# Altium PCB PCB1.PcbDoc
Units mm, origin at the board's own origin, x right, y up, seen from the top; angles counter-clockwise.
Board outline 100.26 x 100.3 mm, 4 copper layers (Top Layer, GND, PWR, Bottom Layer), stack 0.603 mm thick; 65 components, 145 nets, 321 pads, 82 vias.
Unrouted connection lines stored in the file: 64.
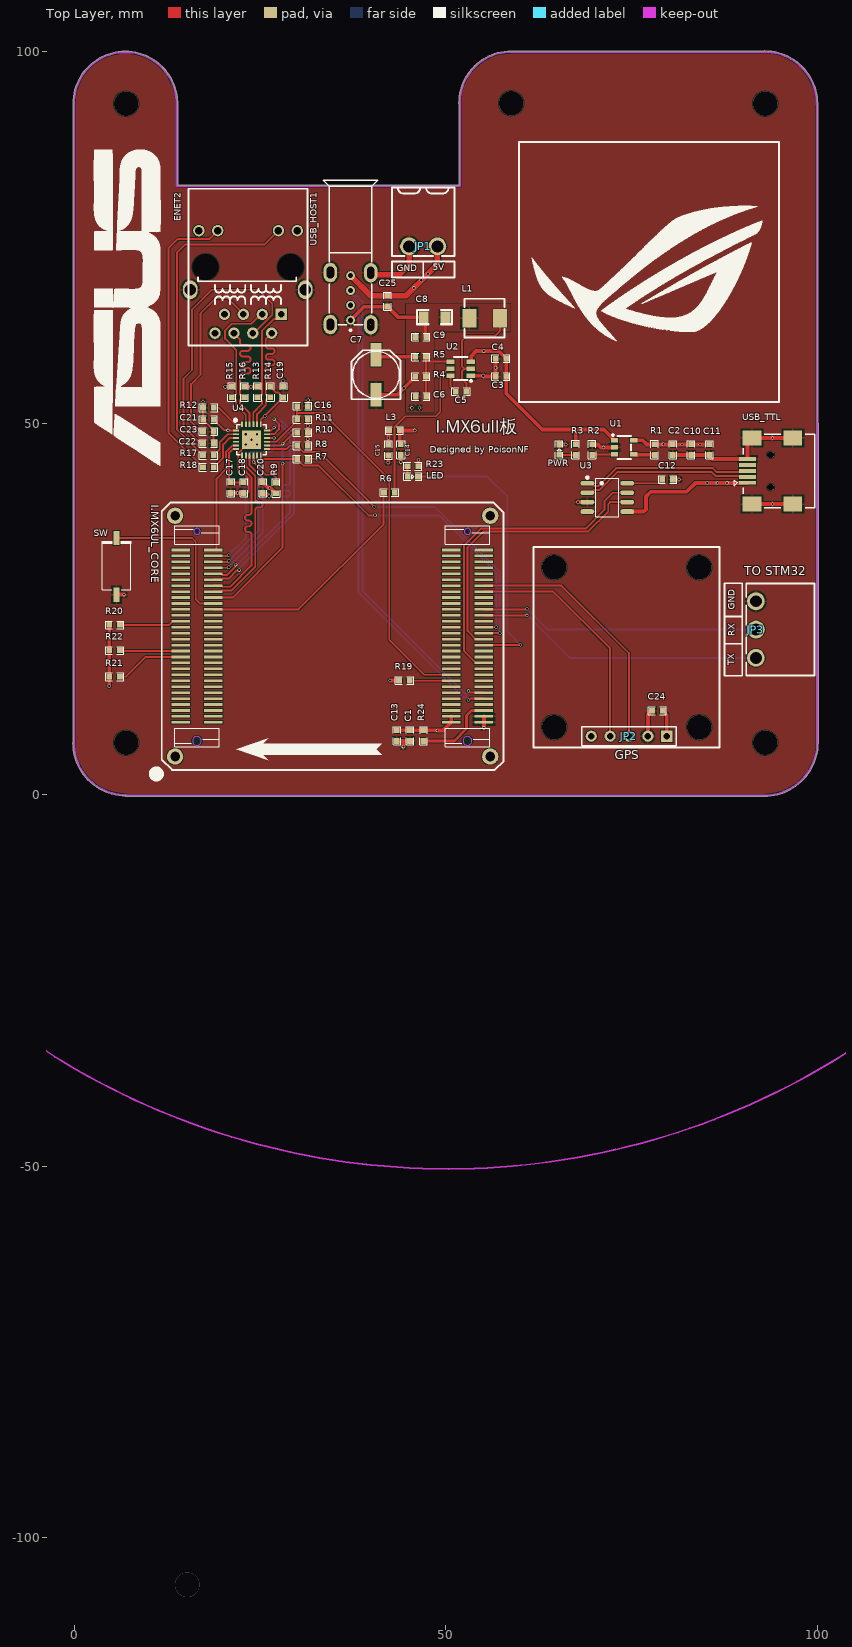
[diagram p0: Top Layer view]
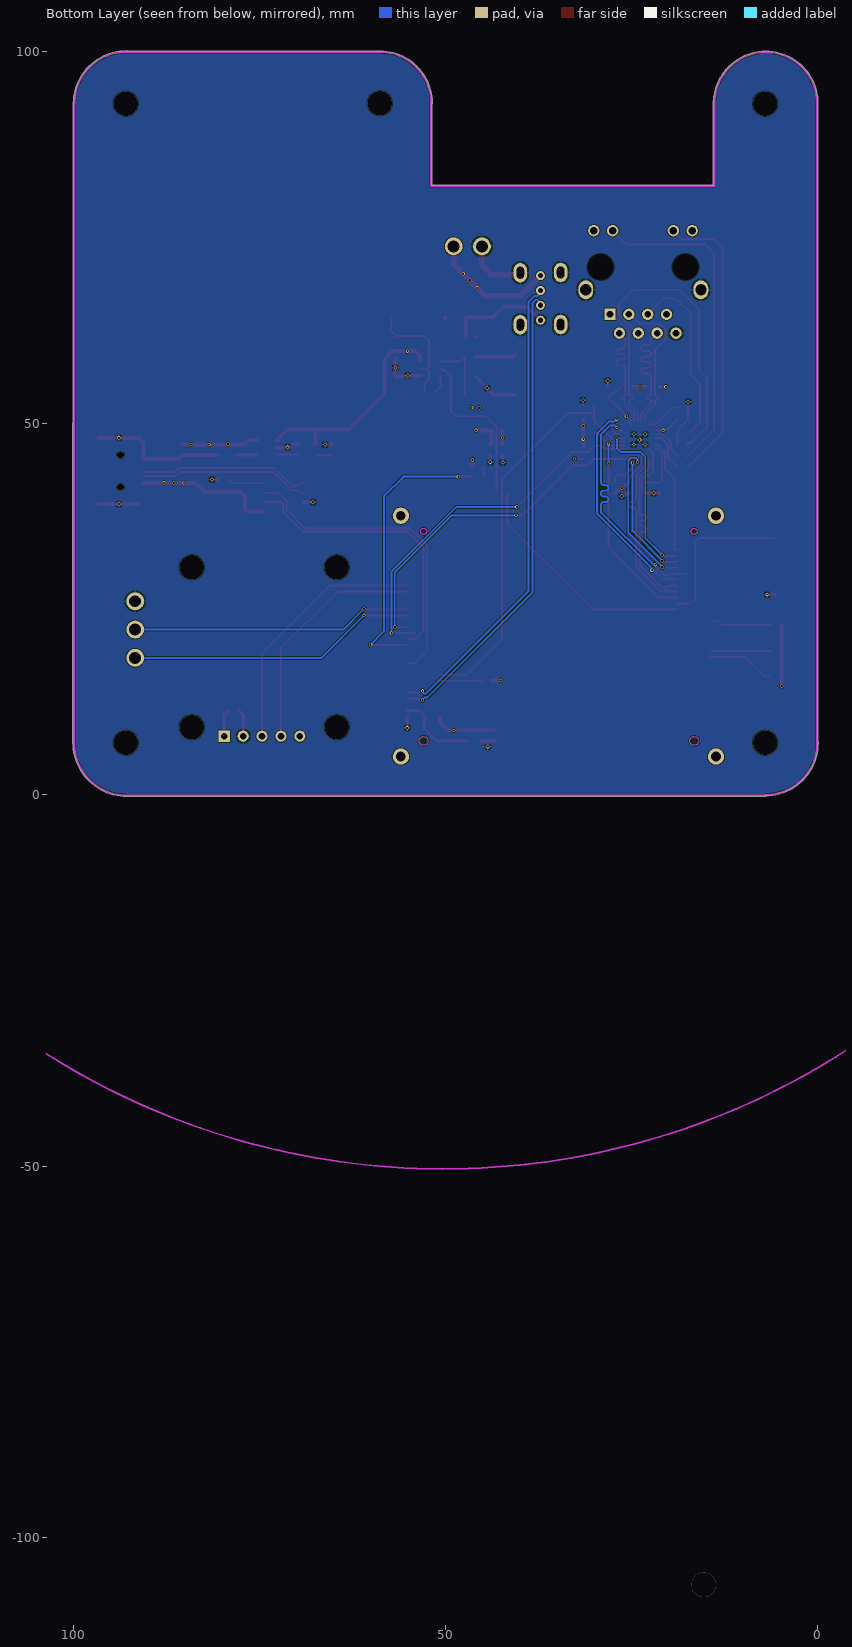
[diagram p1: Bottom Layer view, seen from below]
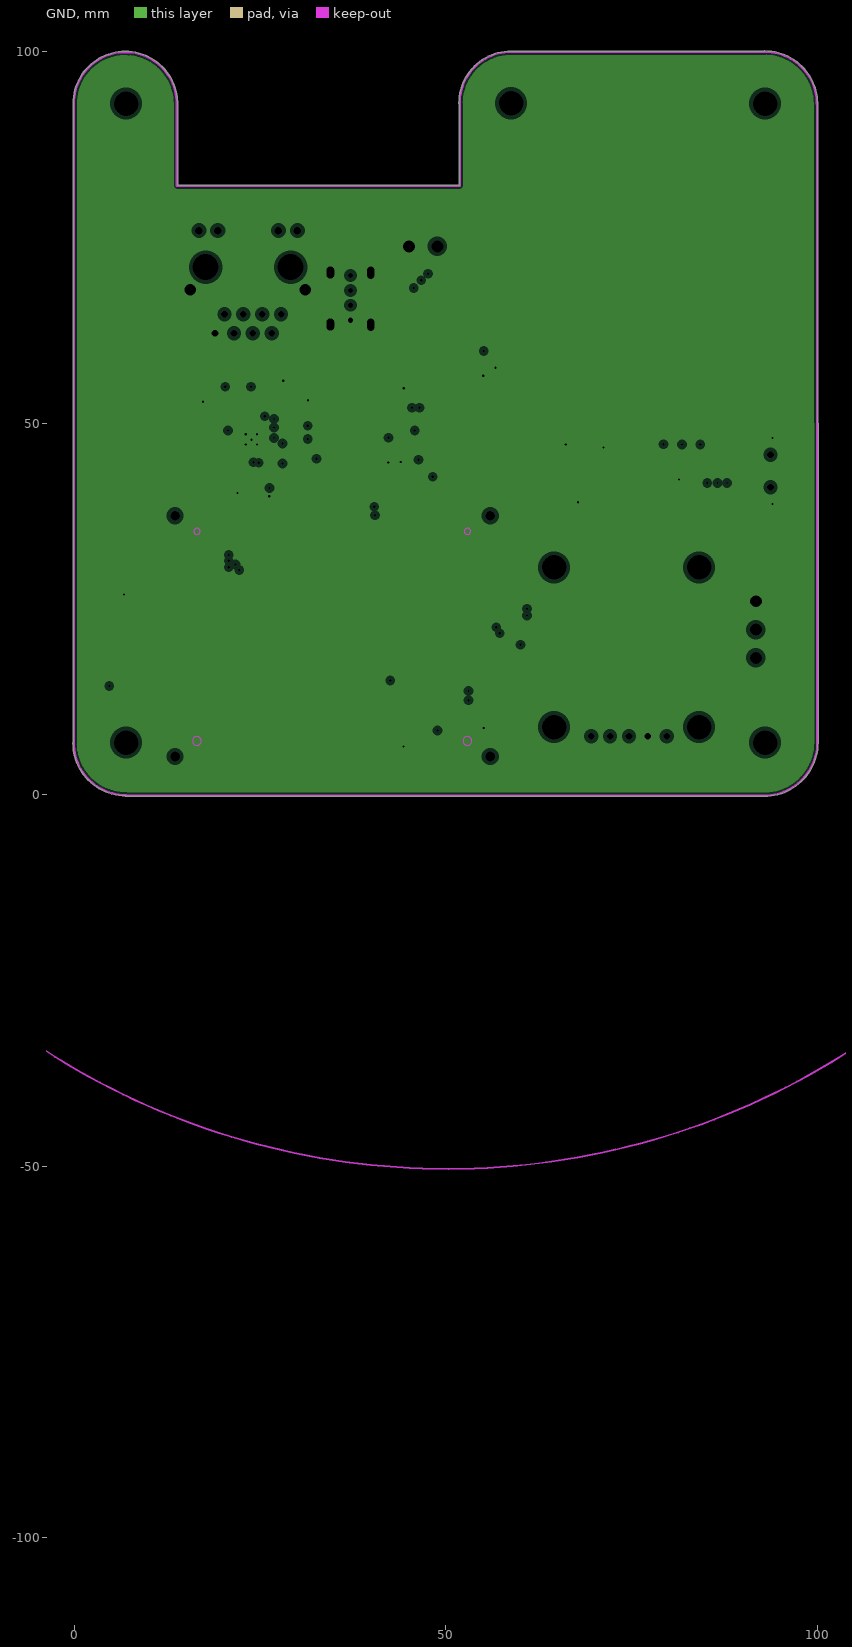
[diagram p2: GND, clearances drawn from the general rule]
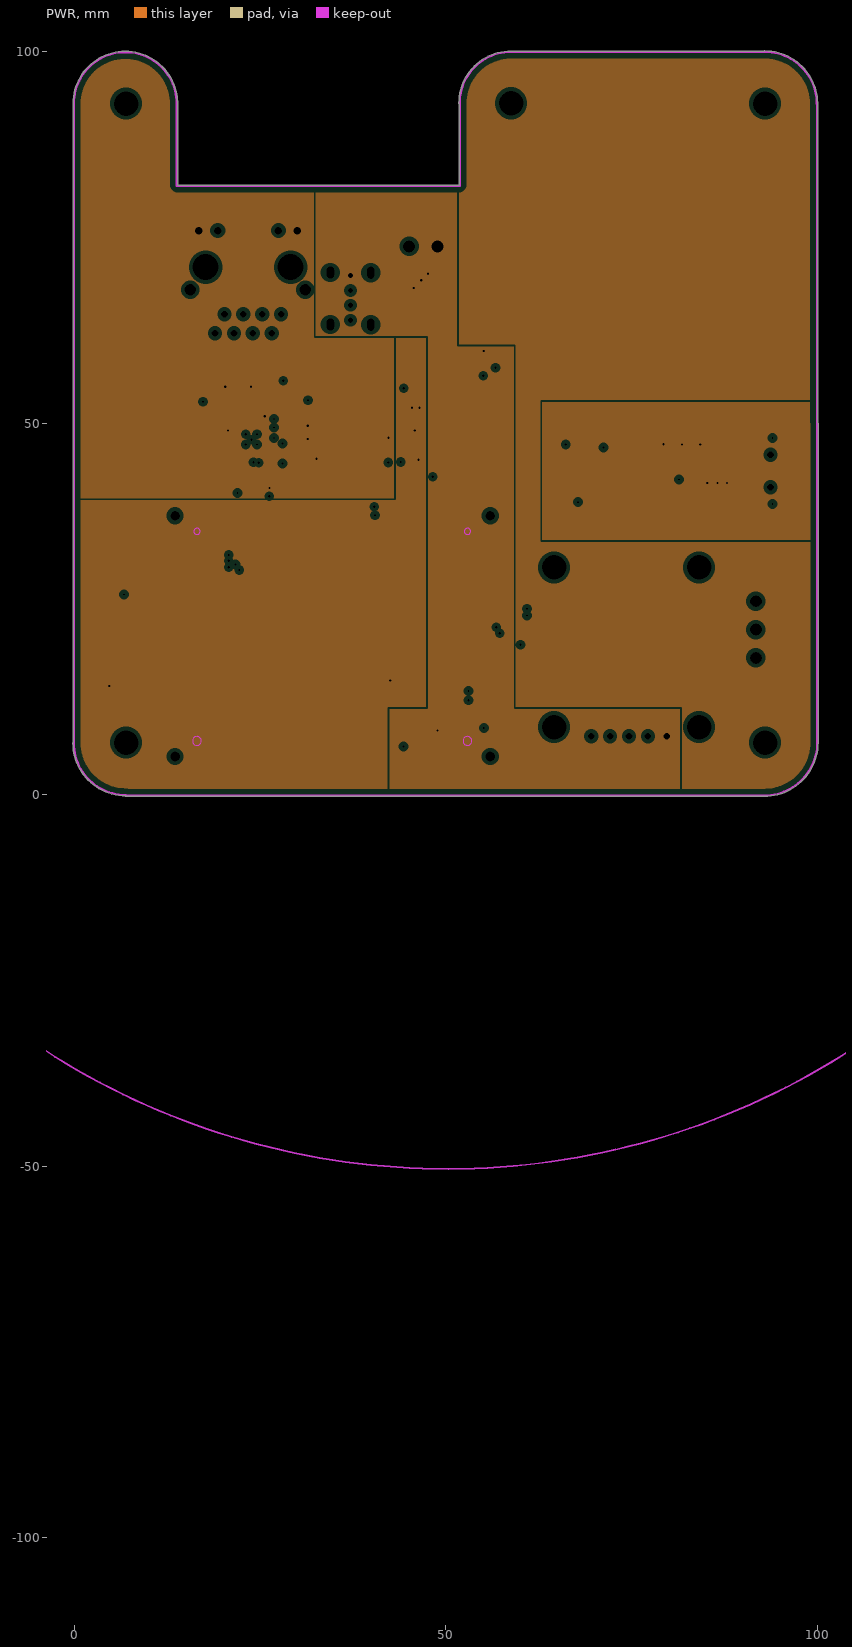
[diagram p3: PWR, clearances drawn from the general rule]
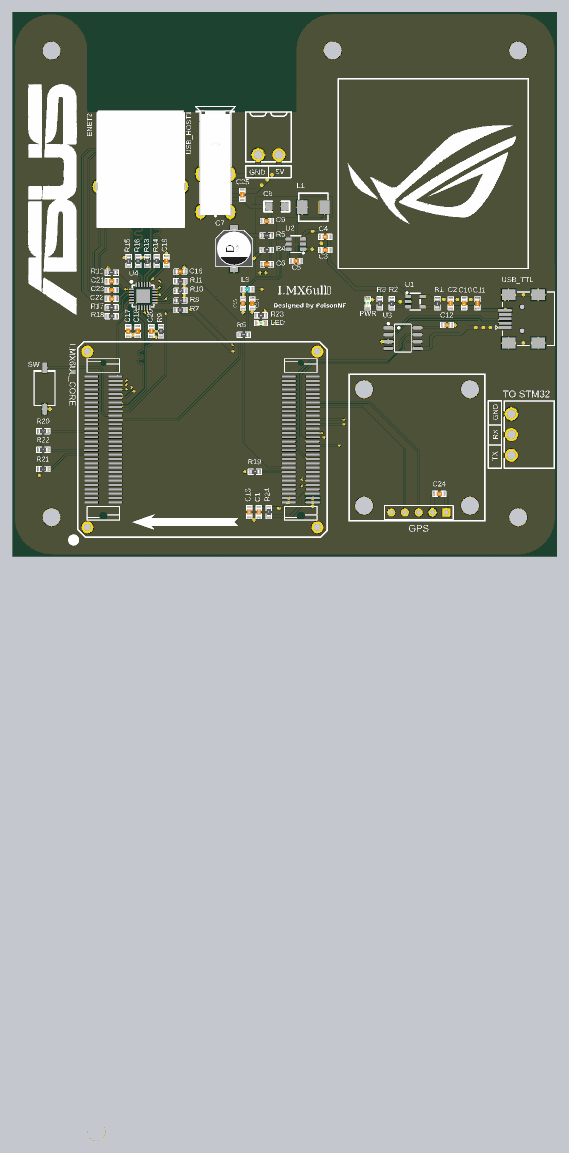
[diagram p4: 3D render of the assembled board from above, using the file's embedded part models]

## Layer stack, top to bottom
Top Solder: solder mask 0.0102, Solder Resist, Dk 3.5
Top Layer: signal copper 0.0356
Dielectric 2: prepreg 0.0711, PP-006, Dk 4.1
GND: plane copper 0.035, net GND
Dielectric 1: dielectric 0.32, FR-4, Dk 4.8
PWR: plane copper 0.035, net (Multiple Nets)
Dielectric 3: prepreg 0.0711, PP-006, Dk 4.1
Bottom Layer: signal copper 0.0356
Bottom Solder: solder mask 0.0102, Solder Resist, Dk 3.5

## Board outline
-0.143,6.971 cw(c-0.015,6.971) -0.123,7.04 -0.123,92.965 cw(c0,92.999) -0.127,92.999 cw(c6.899,92.999) 6.904,100.025 cw(c6.904,99.898) 6.911,100.025 cw(c6.899,92.999) 13.913,93.418 cw(c13.808,93.345) 13.936,93.345 13.936,82.042 51.816,82.042 51.816,92.962 cw(c51.917,93.039) 51.79,93.039 cw(c58.816,93.039) 58.816,100.065 92.871,100.065 cw(c92.929,99.951) 92.929,100.079 cw(c92.929,92.951) 100.056,93.024 cw(c99.951,92.951) 100.079,92.951 100.122,7.035 cw(c92.867,7.035) 92.867,-0.22 7.049,-0.22 cw(c7.049,-0.093) 6.938,-0.156 cw(c6.985,6.971)

## Design rules (kind name [scope] priority, off if disabled: settings)
Clearance [All] p1: gap=0.1 ignorepadtopadclearanceinfootprint=FALSE
ComponentClearance [All] p1 off: gap=0.254 collisioncheckmode=3 verticalgap=0.254 showdistances=FALSE
DiffPairsRouting [All] p1: maxlimit=0.254 minlimit=0.254 mostfreqgap=0.254 toplayer_minwidth=0.254 toplayer_maxwidth=0.381 toplayer_prefwidth=0.254 bottomlayer_minwidth=0.254 bottomlayer_maxwidth=0.381 bottomlayer_prefwidth=0.254 maxuncoupledlength=12.7
HoleSize [All] p1: absolutevalues=TRUE maxlimit=100 minlimit=0 maxpercent=80.000 minpercent=20.000
MinimumSolderMaskSliver [All] p1: minsoldermaskwidth=0
PlaneClearance [All] p1: clearance=0.508
PlaneConnect [All] p1: planeconnectstyle=Relief reliefexpansion=0.508 reliefentries=4 reliefconductorwidth=0.254 reliefairgap=0.254
PolygonConnect [All] p1: connectstyle=Relief reliefconductorwidth=0.254 reliefentries=4 polygonreliefangle="90 Angle" airgapwidth=0.254
RoutingVias [All] p1: holewidth=0.711 width=1.27 viastyle="Through Hole" minholewidth=0 minwidth=0 maxholewidth=0.711 maxwidth=1.27
SilkToSilkClearance [All] p1: silktosilkclearance=0
SilkToSolderMaskClearance [IsPad] p1: minsilkscreentomaskgap=0 clearancetoexposedcopper=TRUE
SolderMaskExpansion [All] p1: expansion=0.102 istentingtop=FALSE
Width [All] p1: maxlimit=2.54 minlimit=0.254 preferedwidth=0.254 minimp=50.000000 maximp=50.000000 favimp=50.000000
22 further rules are at their usual default settings.

## Classes and differential pairs
differential pair ENET2_TXD: +ENET2_TXD_P -ENET2_TXD_N
differential pair ENET2_RXD: +ENET2_RXD_P -ENET2_RXD_N
differential pair USB_OTG2_D: +USB_OTG2_D_P -USB_OTG2_D_N
differential pair ENET2_TX: +ENET2_TX_P -ENET2_TX_N
differential pair ENET2_RX: +ENET2_RX_P -ENET2_RX_N
differential pair D: +D_P -D_N

## Components (designator, comment, footprint, x,y, rotation, side; value= is the part's Value field where it differs from the comment)
C1 "104" "C 0603" 45.212,7.957 r90 top
C2 "104" "C 0603" 80.579,46.427 r90 top
C3 "10uF" "C 0603" 57.448,56.261 r0 top
C4 "104" "C 0603" 57.448,58.674 r0 top
C5 "104" "C 0603" 52.07,54.229 r0 top
C6 "10nF" "C 0603" 46.685,53.594 r0 top
C7 "470uF/10V" "CM D(6.3*7.7)" 40.64,56.515 r90 top
C8 "47uF/10V" 1206 48.514,64.262 r0 top
C9 "104" "C 0603" 46.672,61.595 r180 top
C10 "10uF" "C 0603" 83.035,46.427 r90 top
C11 "104" "C 0603" 85.49,46.427 r90 top
C12 "104" "C 0603" 79.883,42.418 r180 top
C13 "104" "C 0603" 43.443,7.957 r90 top
C14 "104" "C 0603" 43.964,46.422 r90 top
C15 "10uF" "C 0603" 42.291,46.399 r90 top
C16 "104" "C 0603" 30.746,52.282 r0 top
C17 "104" "C 0603" 21.107,41.307 r90 top
C18 "10uF" "C 0603" 22.86,41.307 r90 top
C19 "104" "C 0603" 28.161,54.178 r270 top
C20 "104" "C 0603" 25.4,41.307 r90 top
C21 "104" "C 0603" 18.085,50.47 r0 top
C22 "104" "C 0603" 18.072,47.266 r180 top
C23 "104" "C 0603" 18.072,48.866 r180 top
C24 "104" "C 0603" 78.486,11.303 r0 top
C25 "10uF" "C 0603" 42.164,66.421 r90 top
ENET2 "HR911105A" RJ-45A12 30.045,75.895 r90 top
I.MX6UL_CORE "I.MX6UL_CORE" I.MX6UL_CORE 34.798,21.336 r90 top
JP1 "KF2EDGR-3.81-2P" CONN-TH_2P-P3.81_KF2EDGR-3.81-2P 46.99,73.787 r180 top
JP2 "Header 5" HDR1X5 79.756,7.874 r180 top
JP3 "KF2EDGR-3.81-3P" CONN-TH_3P-P3.81_KF2EDGR-3.81-3P 91.749,22.225 r90 top
L1 "4.7uH" IND-SMD_L5.4-W5.2_FXL0530 55.245,64.135 r0 top
L3 "120R,2.0A" "L 0603" 43.097,49.022 r180 top
LED "RED" "LED 0603B" 45.593,42.799 r0 top
PWR "RED" "LED 0603B" 65.278,46.421 r90 top
R1 "10k" "R 0603" 78.124,46.421 r90 top
R2 "4.7k" "R 0603" 69.723,46.421 r90 top
R3 "1K" "R 0603" 67.501,46.421 r90 top
R4 "15K" "R 0603" 46.653,56.262 r0 top
R5 "49.9K" "R 0603" 46.653,58.93 r0 top
R6 "1K" "R 0603" 42.418,40.64 r0 top
R7 "1K" "R 0603" 30.74,45.181 r0 top
R8 "1K" "R 0603" 30.74,46.956 r0 top
R9 "10K" "R 0603" 27.178,41.275 r90 top
R10 "1K" "R 0603" 30.766,48.728 r180 top
R11 "1K" "R 0603" 30.74,50.504 r180 top
R12 "12.1K" "R 0603" 18.078,52.07 r0 top
R13 "49.9" "R 0603" 24.68,54.185 r90 top
R14 "49.9" "R 0603" 26.416,54.185 r90 top
R15 "49.9" "R 0603" 21.209,54.185 r90 top
R16 "49.9" "R 0603" 22.945,54.185 r90 top
R17 "510R" "R 0603" 18.078,45.669 r0 top
R18 "510R" "R 0603" 18.078,44.069 r0 top
R19 "10K" "R 0603" 44.45,15.367 r0 top
R20 "4.7K" "R 0603" 5.461,22.86 r0 top
R21 "4.7K" "R 0603" 5.461,15.875 r0 top
R22 "4.7K" "R 0603" 5.461,19.431 r0 top
R23 "510R" "R 0603" 45.593,44.196 r180 top
R24 "0" "R 0603" 47.018,7.95 r270 top
SW "TS3625A-HT" SW-SMD_L6.1-W3.7-LS7.9 5.715,30.734 r270 top
U1 "MT9700" SOT-23-5_L3.0-W1.7-P0.95-LS2.8-BR 74.03,46.736 r180 top
U2 "RY3825" SOT-23-6_L2.9-W1.6-P0.95-LS2.8-BR 52.023,57.338 r0 top
U3 "CH340N" SOP-8_L4.9-W3.9-P1.27-LS6.0-BL 71.755,40.005 r270 top
U4 "LAN8720A" QFN24 23.876,47.752 r0 top
USB_HOST1 "USB" USB-A/S_E 37.211,66.756 r90 top
USB_TTL "USB-5P" USB-MINI-A 93.726,43.561 r90 top

## Footprints (in the part's own frame and the unit in brackets; to place one, negate y for a bottom-side part, rotate by r counter-clockwise, add the part's x,y. Pads: shape width x height; smd on the part's side, far side on the other; paste and mask are expansions set on the pad)
1206 [mil]
  rect 51.18x60 smd: 1(-57.5,0) 2(57.5,0)
  silkscreen extent -93,-38 93,38
"C 0603" [mil]
  rect 30x30 smd: 1(-28.25,0) 2(28.25,0)
  silkscreen extent -48,-20 48,20, body extent -31,-16 32,16, height 32
"CM D(6.3*7.7)" [mm] "贴片电解电容，直径6.3mm，高7.7mm"
  rect 3.2x1.5 smd: 1(2.7,0) 2(-2.7,0)
  silkscreen extent -3.3,-3.3 3.3,3.3, body extent -3.5,-3.3 3.5,3.3, height 7.7
CONN-TH_2P-P3.81_KF2EDGR-3.81-2P [mm]
  round 2.4 hole 1.6: 1(-1.905,0) 2(1.905,0)
  silkscreen extent -4.21,-7.9 4.21,1.3
CONN-TH_3P-P3.81_KF2EDGR-3.81-3P [mm]
  round 2.4 hole 1.6: 1(-3.81,0) 2(0,0) 3(3.81,0)
  silkscreen extent -6.2,-7.9 6.2,1.3
HDR1X5 [mm] "Connector; Header; 5 Position"
  rect 1.5x1.5 hole 0.9: 1(0,0)
  round 1.5 hole 0.9: 2(2.54,0) 3(5.08,0) 4(7.62,0) 5(10.16,0)
  silkscreen extent -1.27,-1.27 11.43,1.27
I.MX6UL_CORE [mm]
  round 2.2 hole 1.3: 0(-16.2,-21.2) 0(-16.2,21.2) 0(16.2,-21.2) 0(16.2,21.2)
  rect 0.35x2.5 smd: J1_1(-11.6,20.45) J1_2(-10.8,20.45) J1_3(-10,20.45) J1_4(-9.2,20.45) J1_5(-8.4,20.45) J1_6(-7.6,20.45) J1_7(-6.8,20.45) J1_8(-6,20.45) J1_9(-5.2,20.45) J1_10(-4.4,20.45) J1_11(-3.6,20.45) J1_12(-2.8,20.45) J1_13(-2,20.45) J1_14(-1.2,20.45) J1_15(-0.4,20.45) J1_16(0.4,20.45) J1_17(1.2,20.45) J1_18(2,20.45) J1_19(2.8,20.45) J1_20(3.6,20.45) J1_21(4.4,20.45) J1_22(5.2,20.45) J1_23(6,20.45) J1_24(6.8,20.45) J1_25(7.6,20.45) J1_26(8.4,20.45) J1_27(9.2,20.45) J1_28(10,20.45) J1_29(10.8,20.45) J1_30(11.6,20.45) J1_31(11.6,16.05) J1_32(10.8,16.05) J1_33(10,16.05) J1_34(9.2,16.05) J1_35(8.4,16.05) J1_36(7.6,16.05) J1_37(6.8,16.05) J1_38(6,16.05) J1_39(5.2,16.05) J1_40(4.4,16.05) J1_41(3.6,16.05) J1_42(2.8,16.05) J1_43(2,16.05) J1_44(1.2,16.05) J1_45(0.4,16.05) J1_46(-0.4,16.05) J1_47(-1.2,16.05) J1_48(-2,16.05) J1_49(-2.8,16.05) J1_50(-3.6,16.05) J1_51(-4.4,16.05) J1_52(-5.2,16.05) J1_53(-6,16.05) J1_54(-6.8,16.05) J1_55(-7.6,16.05) J1_56(-8.4,16.05) J1_57(-9.2,16.05) J1_58(-10,16.05) J1_59(-10.8,16.05) J1_60(-11.6,16.05) J2_1(-11.6,-15.95) J2_2(-10.8,-15.95) J2_3(-10,-15.95) J2_4(-9.2,-15.95) J2_5(-8.4,-15.95) J2_6(-7.6,-15.95) J2_7(-6.8,-15.95) J2_8(-6,-15.95) J2_9(-5.2,-15.95) J2_10(-4.4,-15.95) J2_11(-3.6,-15.95) J2_12(-2.8,-15.95) J2_13(-2,-15.95) J2_14(-1.2,-15.95) J2_15(-0.4,-15.95) J2_16(0.4,-15.95) J2_17(1.2,-15.95) J2_18(2,-15.95) J2_19(2.8,-15.95) J2_20(3.6,-15.95) J2_21(4.4,-15.95) J2_22(5.2,-15.95) J2_23(6,-15.95) J2_24(6.8,-15.95) J2_25(7.6,-15.95) J2_26(8.4,-15.95) J2_27(9.2,-15.95) J2_28(10,-15.95) J2_29(10.8,-15.95) J2_30(11.6,-15.95) J2_31(11.6,-20.35) J2_32(10.8,-20.35) J2_33(10,-20.35) J2_34(9.2,-20.35) J2_35(8.4,-20.35) J2_36(7.6,-20.35) J2_37(6.8,-20.35) J2_38(6,-20.35) J2_39(5.2,-20.35) J2_40(4.4,-20.35) J2_41(3.6,-20.35) J2_42(2.8,-20.35) J2_43(2,-20.35) J2_44(1.2,-20.35) J2_45(0.4,-20.35) J2_46(-0.4,-20.35) J2_47(-1.2,-20.35) J2_48(-2,-20.35) J2_49(-2.8,-20.35) J2_50(-3.6,-20.35) J2_51(-4.4,-20.35) J2_52(-5.2,-20.35) J2_53(-6,-20.35) J2_54(-6.8,-20.35) J2_55(-7.6,-20.35) J2_56(-8.4,-20.35) J2_57(-9.2,-20.35) J2_58(-10,-20.35) J2_59(-10.8,-20.35) J2_60(-11.6,-20.35)
  Keep-Out Layer circle w0.127: c14.1,18.25 r0.42
  Keep-Out Layer circle w0.127: c-14.1,18.25 r0.6
  Keep-Out Layer circle w0.127: c-14.1,-18.15 r0.6
  Keep-Out Layer circle w0.127: c14.1,-18.15 r0.42
  silkscreen extent -19.04,-23 18,24.23
IND-SMD_L5.4-W5.2_FXL0530 [mm]
  rect 1.9x2.5 smd: 1(-2.05,0) 2(2.05,0)
  silkscreen extent -2.7,-2.6 2.7,2.6
"L 0603" [mil]
  rect 30x30 smd mask+2: 1(-28.25,0) 2(28.25,0)
  silkscreen extent -48,-20 48,20, body extent -32,-16 31,16, height 31
"LED 0603B" [mil] "蓝色0603LED"
  rect 30x30 smd: 1(-27,0) 2(27.5,-0.06)
  silkscreen extent -48,-20 48,20, body extent -31,-16 32,16, height 24
QFN24 [mm]
  rect 0.8x0.25 smd: 1(-2.101,1.25) 2(-2.101,0.75) 3(-2.101,0.25) 4(-2.101,-0.25) 5(-2.101,-0.75) 6(-2.101,-1.25) 13(2.101,-1.25) 14(2.101,-0.75) 15(2.101,-0.25) 16(2.101,0.25) 17(2.101,0.75) 18(2.101,1.25)
  rect 0.25x0.8 smd: 7(-1.25,-2.101) 8(-0.75,-2.101) 9(-0.25,-2.101) 10(0.25,-2.101) 11(0.75,-2.101) 12(1.25,-2.101) 19(1.25,2.101) 20(0.75,2.101) 21(0.25,2.101) 22(-0.25,2.101) 23(-0.75,2.101) 24(-1.25,2.101)
  rect 2.5x2.5 smd: 25(0,0)
  silkscreen extent -2.31,-2 2,2.79
"R 0603" [mil]
  rect 30x30 smd: 1(-28.25,0) 2(28.25,0)
  silkscreen extent -48,-20 49,20, body extent -32,-16 31,16, height 16
RJ-45A12 [mil]
  round 130 hole 137.8: 0(-192.91,485.83) 0(-192.91,35.83)
  rect 60x60 hole 35.43: 1(-442.91,85.83)
  round 60 hole 35.43: 2(-542.91,135.83) 3(-442.91,185.83) 4(-542.91,235.83) 5(-442.91,285.83) 6(-542.91,335.83) 7(-442.91,385.83) 8(-542.91,435.83)
  round 60 hole 40: 9(0,0) 10(0,100) 11(0,421.65) 12(0,521.65)
  oval 98.43x78.74 hole 59.06: 13(-312.99,-42.13) 14(-312.99,567.32)
  silkscreen extent -608,-54 222,576, body extent -605,-53 237,572, height 59
SOP-8_L4.9-W3.9-P1.27-LS6.0-BL [mm]
  oval 0.63x1.865 smd: 1(-1.905,-2.682) 2(-0.635,-2.682) 3(0.635,-2.682) 4(1.905,-2.682) 5(1.905,2.682) 6(0.635,2.682) 7(-0.635,2.682) 8(-1.905,2.682)
  silkscreen extent -2.82,-2.83 2.58,1.52
SOT-23-5_L3.0-W1.7-P0.95-LS2.8-BR [mm]
  rect 1x0.6 smd: 1(1.3,-0.95) 2(1.3,0) 3(1.3,0.95) 4(-1.3,0.95) 5(-1.3,-0.95)
  silkscreen extent -0.9,-1.78 1.65,1.55
SOT-23-6_L2.9-W1.6-P0.95-LS2.8-BR [mm]
  rect 1.1x0.6 smd paste+0 mask+0.051: 1(1.35,-0.95) 2(1.35,0) 3(1.35,0.95) 4(-1.35,0.95) 5(-1.35,0) 6(-1.35,-0.95)
  silkscreen extent -0.9,-1.78 1.52,1.55
SW-SMD_L6.1-W3.7-LS7.9 [mm]
  rect 1.92x0.84 smd: 1(3.81,0) 2(-3.81,0)
  silkscreen extent -3.35,-2 3.13,2
USB-A/S_E [mm]
  round 1.2 hole 0.7: 1(3.094,0) 2(1.094,0) 3(-0.906,0) 4(-2.906,0)
  oval 2.6x1.8 hole 1 slot 1.6 at 0 deg: 5(-3.513,-2.718) 5(-3.487,2.718) 5(3.487,-2.718) 5(3.513,2.718)
  silkscreen extent -4.38,-3.68 15.95,3.7, body extent -4.07,-3.61 15.18,3.64, height 14.45
USB-MINI-A [mm]
  rect 0.5x2.3 smd: 1(-1.6,3.108) 2(-0.8,3.108) 3(0,3.108) 4(0.8,3.108) 5(1.6,3.108)
  rect 2x2.5 smd: 5(-4.45,-3) 5(-4.45,2.5) 5(4.45,-3) 5(4.45,2.5)
  round 0.9 hole 0.9 unplated: MH1(2.2,0) MH2(-2.2,0)
  silkscreen extent -4.95,-5.95 4.95,4.89, body extent -4.75,-6 4.75,3.7, height 3.95
